# Altium PCB PCB.PcbDoc (part 2 of 3) (continued)
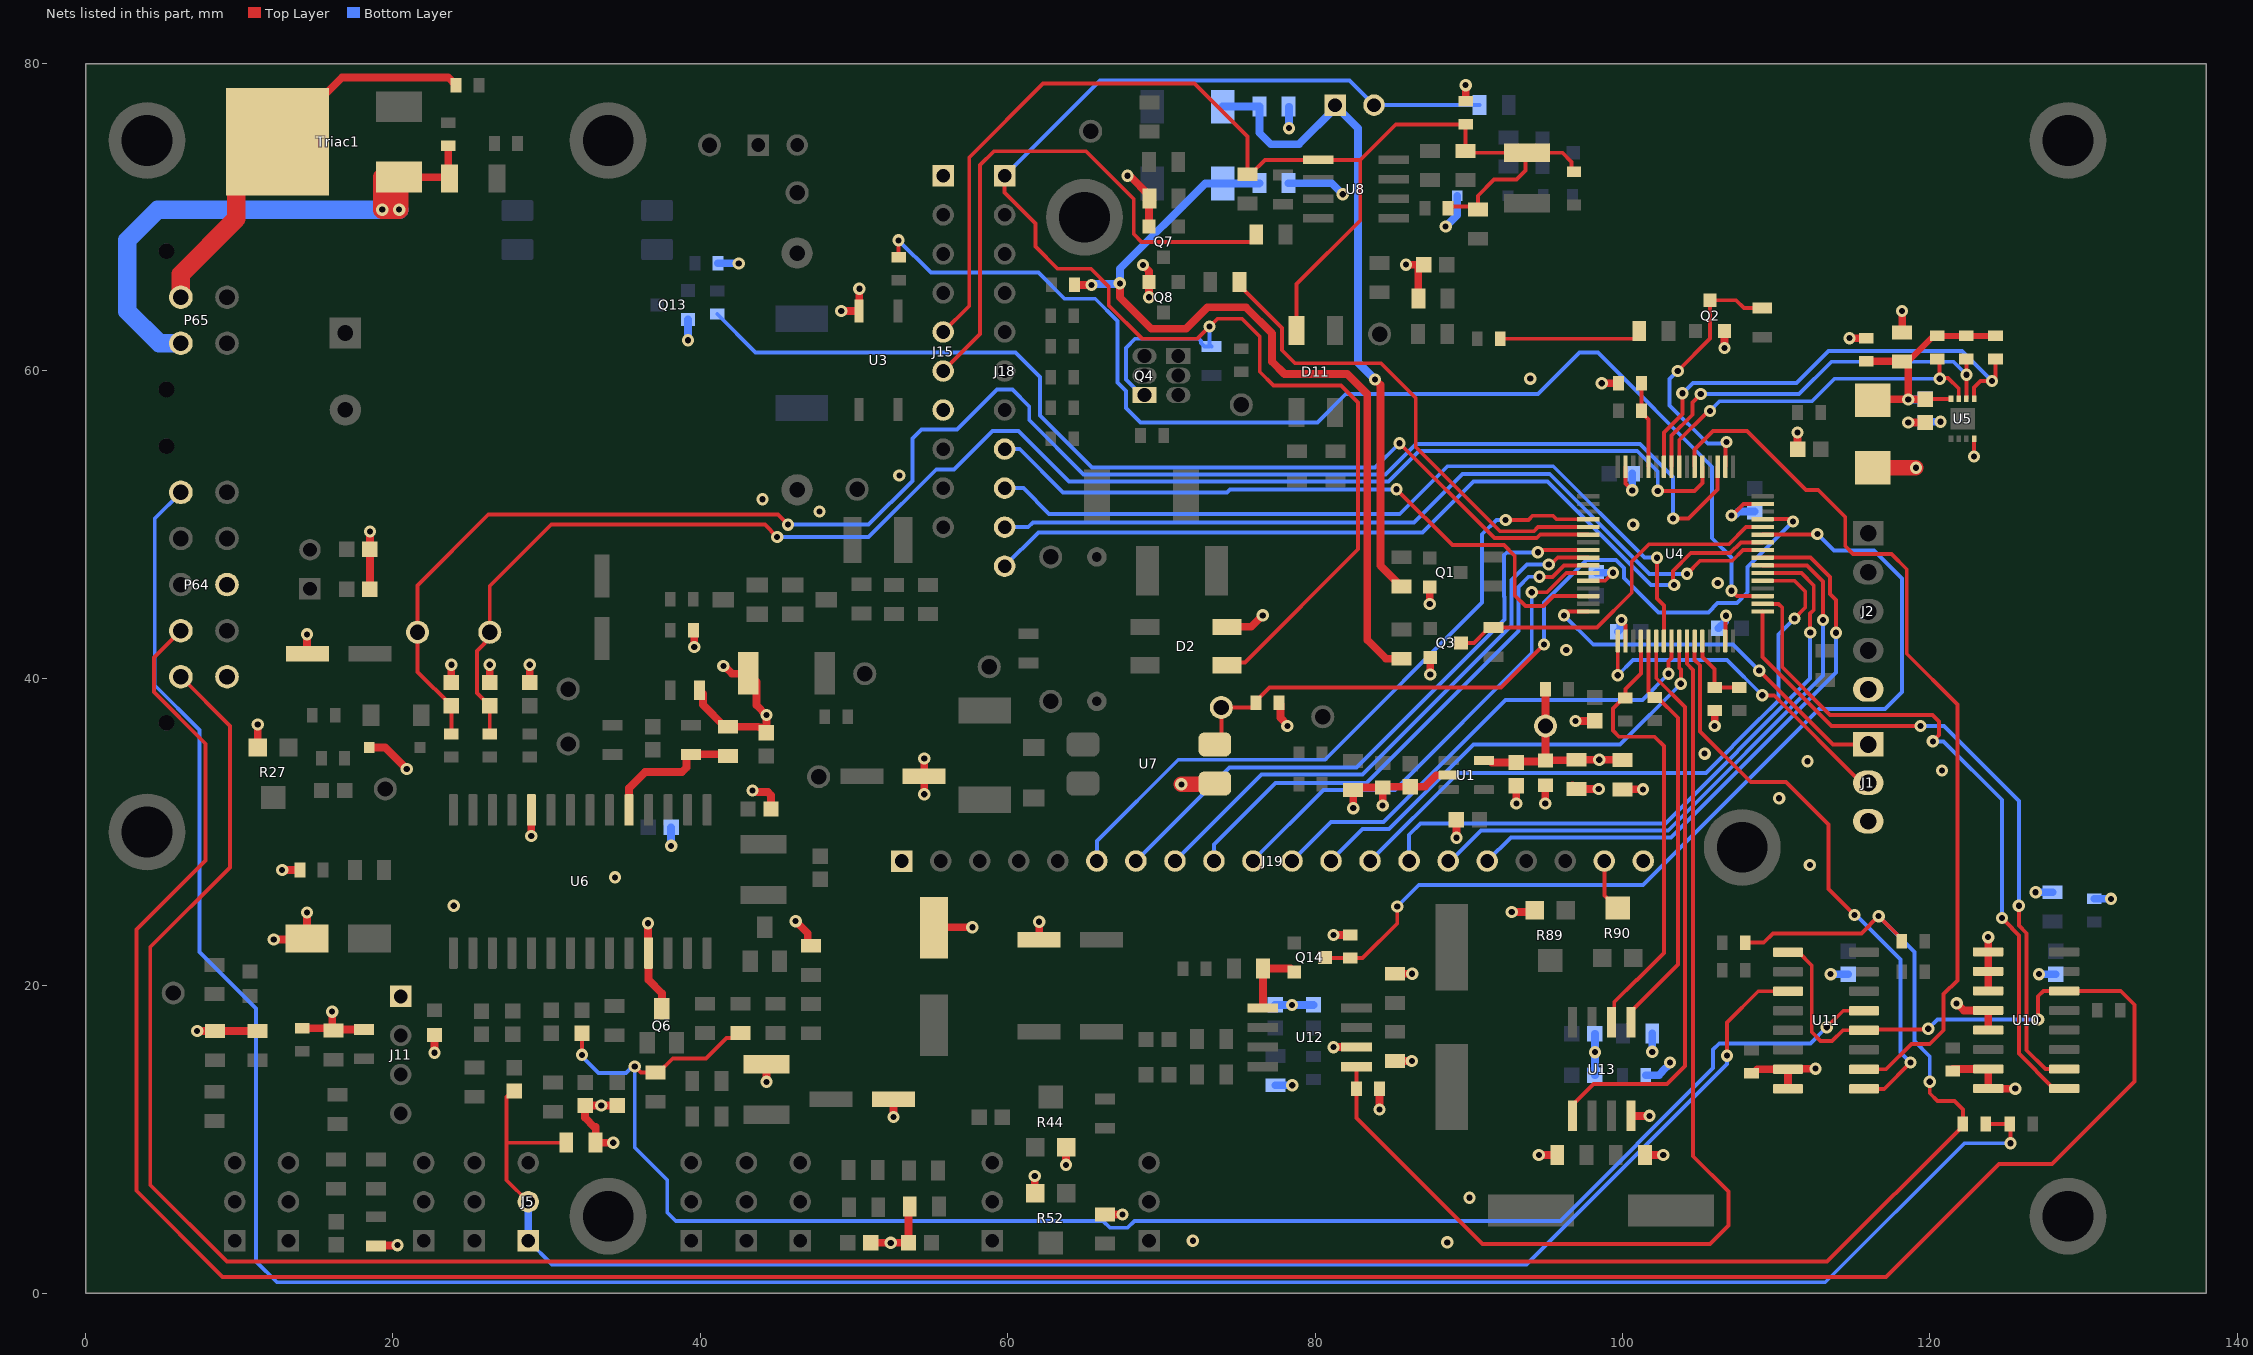
[diagram p4: the nets of this part, all layers, seen from the top]
## Part data (continued)
U2: library part CMP-076-000004-2, "AC-DC Module HLK-PM01 5V 3W Hi-Link", Manufacture=Hi-Link, Max Operating Temperature=60°C, Max Supply Voltage=240V, Min Operating Temperature=-25°C, Min Supply Voltage=100V, Nominal Supply Current=200mA, Output Current=600mA, Output Voltage=5V, Design Item ID=HLK-PM01, Efficiency=70%, Pins=4
U3: library part CMP-076-000006-2, "High Isolation Voltage Darlington Transistor SOP MULTI Photocoupler Series", Case/Package=SOP, Collector Emitter Saturation Voltage=1V, Collector Emitter Voltage (VCEO)=40V, Current Transfer Ratio=2000%, Forward Current=50mA, Forward Voltage=1.4V, Isolation Voltage=3.75kV, Manufacturer=Renesas, Max Collector Current=200mA, Max Operating Temperature=100°C, Max Power Dissipation=150mW, Min Operating Temperature=-55°C, Reverse Breakdown Voltage=6V, Category=Optocouplers, Component Type=Standard, ComponentLink1Description=https://datasheet.ciiva.com/15119/getdatasheetpartid-460023-15119224.pdf?src-supplier=Verical, ComponentLink1URL=https://datasheet.ciiva.com/15119/getdatasheetpartid-460023-15119224.pdf?src-supplier=Verical, Input Type=DC, Lead Free="Lead Free", Manufacturer Part Number=PS2702-1-F3-A, Max Input Current=50mA, Mounting Technology="Surface Mount", Number of Channels=1, Number of Elements=1, Output Voltage=40V, Packaging="Tape and Reel", Pins=4, Power Dissipation=150mW, Radiation Hardening=No, Rise Time=200us, RoHS Compliant=Yes
U4: library part CMP-031-00022-4, "Ultra-low-power 32-bit Value Line ARM Cortex-M3 MCU with 256 Kbytes Flash, 32 MHz CPU, LCD, USB", Case/Package=LQFP, Manufacturer=STMicroelectronics, Max Operating Temperature=85°C, Min Operating Temperature=-40°C, Category=Microcontrollers, Component Type=Standard, ComponentLink1Description=http://www.mouser.com/ds/2/389/stm32l100rc-956221.pdf?src-supplier=Mouser, ComponentLink1URL=http://www.mouser.com/ds/2/389/stm32l100rc-956221.pdf?src-supplier=Mouser, ComponentLink2Description=http://www.st.com/content/ccc/resource/technical/document/datasheet/aa/5b/32/7b/98/10/4f/86/DM00090183.pdf/files/DM00090183.pdf/jcr:content/translations/en.DM00090183.pdf?src-supplier=Digi-Key, ComponentLink2URL=http://www.st.com/content/ccc/resource/technical/document/datasheet/aa/5b/32/7b/98/10/4f/86/DM00090183.pdf/files/DM00090183.pdf/jcr:content/translations/en.DM00090183.pdf?src-supplier=Digi-Key, ComponentLink3Description=http://www.st.com/st-web-ui/static/active/en/resource/technical/document/datasheet/DM00108661.pdf?src-supplier=Avnet, ComponentLink3URL=http://www.st.com/st-web-ui/static/active/en/resource/technical/document/datasheet/DM00108661.pdf?src-supplier=Avnet, Core Architecture=ARM, Design Item ID=STM32L100RCT6TR, Interface=I2C,SPI,USB,UART,USART, Manufacturer Part Number=STM32L100RCT6TR, Memory Format=FLASH, Memory Size=256KB, Number of I/Os=51, Oscillator Type=Internal, Packaging="Tape and Reel", Peripherals="Brown-out Detect/Reset,POR,PWM,WDT,DMA,LCD", Pins=64, RoHS Compliant=Yes, Series="STM32 L1"
U5: "EEPROM Serial 16-Kb I2C - Automotive Grade", Manufacturer="ON Semiconductor", Manufacturer Part Number=NV24C16MUW3VLTBG, Category=EEPROM, Component Type=Standard, Design Item ID=NV24C16MUW3VLTBG, Pin Count=8, Pricing 1="1=0.39, 10=0.374, 50=0.374, 100=0.307, 1000=0.291, 10000=0.276 (USD)", RoHS=No, Source=V4-TEL.SCHLIB
U6: library part CMP-076-000002-2, "AS Series 3 to 5 V Telephone Line Interface and Speakerphone Circuit - SOIC-28", Case/Package=SOIC, Max Operating Temperature=70°C, Max Supply Voltage=5V, Min Operating Temperature=-25°C, Min Supply Voltage=3V, Operating Supply Current=3mA, Package Quantity=1500, Design Item ID=AS2523T, Interface=Serial, Lead Free="Lead Free", Mounting Technology="Surface Mount", Number of Circuits=1, Packaging="Tape and Reel", Pin Count=28, Pins=28, RoHS Compliant=Yes, Weight=0.078125oz
U7: library part CMP-084-000000-2, "OPTOISOLATOR 5KV TRANS 4SMD", Case/Package=SMD/SMT, Collector-emitter Voltage-Max=200mV, Forward Voltage=1.2V, Max Operating Temperature=100°C, Max Output Voltage=80V, Min Operating Temperature=-30°C, Output Current per Channel=50mA, Package="SMD-4 Sharp Microelectronics", Component Type=Standard, Input Type=DC, Lead Free="Contains Lead", MF="Sharp Microelectronics", Mounting Technology="Surface Mount", MP=PC817XI, Number of Channels=1, Number of Circuits=1, Pins=4, RoHS Compliant=No
U8: library part CMP-031-00017-1, "BA8206 Series 14 to 18 V 450 mW Tone Ringer IC for Telephone Set - SOIC-8", Case/Package=SOP, Manufacturer=Rohm, Max Operating Temperature=75°C, Max Power Dissipation=450mW, Min Operating Temperature=-25°C, Package Quantity=2500, Category="Integrated Circuits (ICs)", Component Type=Standard, ComponentLink1Description=https://datasheet.ciiva.com/6631/ba8206f-6631483.pdf?src-supplier=Digi-Key, ComponentLink1URL=https://datasheet.ciiva.com/6631/ba8206f-6631483.pdf?src-supplier=Digi-Key, ComponentLink2Description=https://datasheet.ciiva.com/6631/ba8206f-6631484.pdf?src-supplier=Digi-Key, ComponentLink2URL=https://datasheet.ciiva.com/6631/ba8206f-6631484.pdf?src-supplier=Digi-Key, ComponentLink3Description=https://datasheet.ciiva.com/16421/rohmba8206f-e2-16421738.pdf?src-supplier=Future+Electronics, ComponentLink3URL=https://datasheet.ciiva.com/16421/rohmba8206f-e2-16421738.pdf?src-supplier=Future+Electronics, ComponentLink4Description=https://datasheet.ciiva.com/6631/ba8206f-6631485.pdf?src-supplier=Digi-Key, ComponentLink4URL=https://datasheet.ciiva.com/6631/ba8206f-6631485.pdf?src-supplier=Digi-Key, Design Item ID=BA8206F-E2, Lead Free="Lead Free", Manufacturer Part Number=BA8206F-E2, Mount="Surface Mount", Number of Circuits=1, Packaging="Tape and Reel", Pin Count=8, Pins=8, Pricing 1="1=2.37, 10=2.14, 50=2.02, 100=1.72, 1000=1.3, 10000=1.06 (USD)", RoHS=Yes, RoHS Compliant=Yes, Series=-, Source=V4-TEL.SCHLIB, Stock 1=6538
U9: library part CMP-076-000009-2, "Optocoupler Triac AC-OUT 1-Channel 800VDRM 4-Pin Surface Mount T/R", Case/Package=SMD/SMT, Forward Voltage=1.2V, Hold Current=400uA, Manufacturer=Vishay, Max Operating Temperature=110°C, Min Operating Temperature=-55°C, RMS Current (Irms)=100mA, Component Type=Standard, Design Item ID=VOT8024AB-T, Manufacturer Part Number=VOT8024AB-T, Mounting Technology="Surface Mount", Number of Channels=1, Packaging="Cut Tape", Pins=4, RoHS=Yes, RoHS Compliant=Yes, Series=-
U10 U11: library part CMP-031-00021-1, "IC MULTIPLEXER DUAL 4X1 16SOIC", Case/Package=SOIC, Manufacturer="Texas Instruments", Max Operating Temperature=85°C, Max Supply Voltage=5.5V, Min Operating Temperature=-40°C, Min Supply Voltage=2V, On-State Resistance=100R, Operating Supply Current=20uA, Package Quantity=1, Bandwidth=50MHz, Category="Decoders and Multiplexers", Component Type=Standard, ComponentLink1Description=https://datasheet.ciiva.com/1669/sn74lv4052a-1669728.pdf?src-supplier=Digi-Key, ComponentLink1URL=https://datasheet.ciiva.com/1669/sn74lv4052a-1669728.pdf?src-supplier=Digi-Key, ComponentLink2Description=https://datasheet.ciiva.com/15127/getdatasheetpartid-296403-15127637.pdf?src-supplier=Verical, ComponentLink2URL=https://datasheet.ciiva.com/15127/getdatasheetpartid-296403-15127637.pdf?src-supplier=Verical, ComponentLink3Description=https://datasheet.ciiva.com/46435/1845014-46435855.pdf?src-supplier=Element14, ComponentLink3URL=https://datasheet.ciiva.com/46435/1845014-46435855.pdf?src-supplier=Element14, ComponentLink4Description=https://datasheet.ciiva.com/1669/sn74lv4052a-1669727.pdf?src-supplier=Digi-Key, ComponentLink4URL=https://datasheet.ciiva.com/1669/sn74lv4052a-1669727.pdf?src-supplier=Digi-Key, ComponentLink5Description=https://datasheet.ciiva.com/1669/sn74lv4052a-1669729.pdf?src-supplier=Digi-Key, ComponentLink5URL=https://datasheet.ciiva.com/1669/sn74lv4052a-1669729.pdf?src-supplier=Digi-Key, ComponentLink6Description=https://datasheet.ciiva.com/14306/sn74lv4052a-14306682.pdf?src-supplier=Avnet, ComponentLink6URL=https://datasheet.ciiva.com/14306/sn74lv4052a-14306682.pdf?src-supplier=Avnet, ComponentLink7Description=https://datasheet.ciiva.com/48711/001048022-da-01-en-ic-mp-sn74lv40-sn74lv4052adr-soic-16-tid-48711974.pdf?src-supplier=Conrad, ComponentLink7URL=https://datasheet.ciiva.com/48711/001048022-da-01-en-ic-mp-sn74lv40-sn74lv4052adr-soic-16-tid-48711974.pdf?src-supplier=Conrad, Design Item ID=SN74LV4052ADR, Lead Free="Lead Free", Logic Function=Multiplexer,Demultiplexer, Manufacturer Part Number=SN74LV4052ADR, Mount="Surface Mount", Number of Bits=4, Number of Channels=2, Number of Circuits=2, Number of Inputs=8, Number of Outputs=2, Number of Switches=2, Packaging="Tape and Reel", Pin Count=16, Pins=16, Polarity=Non-Inverting, Pricing 1="1=0.42, 10=0.355, 50=0.355, 100=0.26, 1000=0.17, 10000=0.136 (USD)", Propagation Delay=12ns, Radiation Hardening=No, Reach SVHC Compliant=No, RoHS=Yes, RoHS Compliant=Yes, Series=74LV, Source=V4-TEL.SCHLIB, Stock 1=5424, Supply Current=20uA, Supply Type=Single, Throw Configuration=SP4T, Weight=0.004998oz
U12: library part CMP-076-000005-3, "SOP-8 Telecommunication Interface ICs ROHS", Component Type=Standard, Mounting Technology=SMT, Pins=8, RoHS Compliant=No
U13: library part CMP-031-00018-2, "IC, Dtmf Generator, SMD, SOP8", Manufacturer=Holtek, Max Operating Temperature=75°C, Max Supply Voltage=5.5V, Min Operating Temperature=-20°C, Min Supply Voltage=2.5V, Nominal Supply Current=950uA, Category="Integrated Circuits (ICs)", Component Type=Standard, ComponentLink1Description=https://datasheet.ciiva.com/1167/1738900-1167188.pdf?src-supplier=Element14, ComponentLink1URL=https://datasheet.ciiva.com/1167/1738900-1167188.pdf?src-supplier=Element14, Manufacturer Part Number=HT9200A-8SOPLF, Pins=8, Reach SVHC Compliant=No, RoHS Compliant=Yes
X1 X2: "Crystal 3.579545MHz ±30ppm (Tol) ±50ppm (Stability) 18pF FUND 180Ohm 2-Pin HC-49/US SMD T/R", Case/Package=SMD/SMT, ESR (Equivalent Series Resistance)=180, Frequency=3.5795MHz, Frequency Stability=50ppm, Frequency Tolerance=30ppm, Load Capacitance=18pF, Manufacturer=Abracon, Manufacturer Part Number=ABLS-3.579545MHZ-B4-T, Max Operating Temperature=70°C, Min Operating Temperature=-20°C, Package Quantity=1000, Category=Crystals, Component Type=Standard, ComponentLink1Description=https://datasheet.ciiva.com/15116/getdatasheetpartid-719920-15116797.pdf?src-supplier=Verical, ComponentLink1URL=https://datasheet.ciiva.com/15116/getdatasheetpartid-719920-15116797.pdf?src-supplier=Verical, ComponentLink2Description=https://datasheet.ciiva.com/854/abls-854168.pdf?src-supplier=Digi-Key, ComponentLink2URL=https://datasheet.ciiva.com/854/abls-854168.pdf?src-supplier=Digi-Key, ComponentLink3Description=https://datasheet.ciiva.com/854/abls-854169.pdf?src-supplier=Digi-Key, ComponentLink3URL=https://datasheet.ciiva.com/854/abls-854169.pdf?src-supplier=Digi-Key, ComponentLink4Description=https://datasheet.ciiva.com/854/abls-854170.pdf?src-supplier=Digi-Key, ComponentLink4URL=https://datasheet.ciiva.com/854/abls-854170.pdf?src-supplier=Digi-Key, ComponentLink5Description=https://datasheet.ciiva.com/4944/abls-44621-4944684.pdf?src-supplier=Mouser, ComponentLink5URL=https://datasheet.ciiva.com/4944/abls-44621-4944684.pdf?src-supplier=Mouser, Depth=4.7mm, Design Item ID=ABLS-3.579545MHZ-B4-T, ESR=180, Height=4.2mm, Lead Free="Lead Free", Length=11.4mm, Mounting Technology="Surface Mount", Packaging="Tape and Reel", Pins=2, Pricing="1=0.17, 10=0.138, 50=0.138, 100=0.138, 1000=0.132, 10000=0.108 (USD)", Radiation Hardening=No, RoHS=Yes, Series=ABLS, Source=V4-TEL.SCHLIB, Stock=4835, Termination=SMD/SMT, Tolerance=30ppm, Width=4.7mm

## Free pads (board coordinates)
  round 5 hole 3.3 unplated: 0(4,30) 0(4,75) 0(34,5) 0(34,75) 0(65,70) 0(107.8,29) 0(129,5) 0(129,75)

## Via types
v1: diameter 0.8, hole 0.4, Top Layer to Bottom Layer, tented both sides, 268 vias

## Nets (pads, with @x,y where several pads share a name; then routed paths per layer and width w, separated by ;. In a path a pad name is that pad's centre, name@x,y a point inside that pad or via, vN(x,y) a via of type N, cw(c..) or ccw(c..) an arc to the next point about the centre after c; other vN are vias at no path point)
3V_EEPROM: C16.2 C17.1 C18.2 D1.1 FB2.1 R19.2 R20.2 R21.1 U5.8 | length 17.7
  Top Layer w0.254: C16.2@119.7,58.15 119.739,58.189 U5.8@121.385,58.189
  Top Layer w0.4: C18.2@118.173,60.636 118.6,60.636 120.25,62.286 R19.2@120.48,62.286 R20.2@122.38,62.286 R21.1@124.28,62.286
  Top Layer w0.5: FB2.1@115.88,60.636 C18.2@118.173,60.636 ; D1.1@116.3,58.1 116.35,58.15 v1(118.6,58.15) ; C18.2@118.6,60.509 v1(118.6,58.15) ; C16.2@119.7,58.15 v1(118.6,58.15)
  Bottom Layer w0.508: v1(118.6,58.15) C17.1@119.7,58.15
+3V3: C1.2 C2.1 C3.2 C14.1 FB1.2 FB2.2 FB3.2 FB5.2 R47.2 R93.2 R108.2 TP2.1 U1.5 | length 22.2
  Top Layer w0.5: R47.2@77.65,38.4 77.75,38.3 77.75,37.431 78.2,36.981 v1(78.2,36.9) ; U1.5@90.992,34.657 91.357,34.657 91.493,34.52 C2.1@93.1,34.52 93.162,34.583 94.937,34.583 C1.2@95,34.645 ; FB1.2@95,39.3 TP2.1@95,36.9 C1.2@95,34.645 ; C14.1@100.017,34.676 99.993,34.7 C3.2@97,34.7 96.973,34.673 95.027,34.673 C1.2@95,34.645
  Top Layer w0.508: v1(81.2,23.3) R108.2@82.3,23.3 ; v1(114.78,62.136) FB2.2@115.88,62.136
  Bottom Layer w0.5: R93.2@41.15,67 v1(42.5,67) ; FB5.2@101.512,14.178 102.378,14.178 102.6,14.4 102.6,14.419 103.1,14.919 v1(103.1,15) ; FB3.2@130.7,25.65 v1(131.793,25.65)
  other v1: 98.497,34.7
A_MUX_MIC: U4.54 U11.10 | length 58.2
  Top Layer w0.254: U4.54@104.7,53.77 104.7,54.9 105.9,56.1 108.095,56.1 111.941,52.254 112.746,52.254 114.5,50.5 114.5,48.6 115,48.1 117.5,48.1 118.5,47.1 118.5,41.6 121.8,38.3 121.8,20.35 120.9,19.45 120.9,17.1 120,16.2 118.8,16.2 117.16,14.56 U11.10@115.728,14.56
A_MUX_SP: U4.33 U10.10 | length 43
  Top Layer w0.254: U4.33@109.12,44.35 109.12,41.38 113.6,36.9 v1(119.4,36.9) v1@119.4,37 ; v1(125.8,25.2) 125.8,23.914 126.3,23.414 126.3,15.8 127.52,14.58 U10.10@128.75,14.58
  Bottom Layer w0.254: v1(119.4,36.9) 120.928,36.9 125.8,32.028 v1(125.8,25.2)
AGND: C48.2 R82.2 U6.19 | length 9.2
  Top Layer w0.5: U6.19@35.36,31.435 35.36,32.86 36.4,33.9 38.804,33.9 39.096,34.193 39.096,34.95 39.196,35.05 C48.2@41.8,35.05
Anode_LCD: J19.19 R90.2 | length 3.5
  Top Layer w0.254: J19.19@98.822,28.113 98.822,25.878 99.65,25.05 R90.2@99.7,25.05
B_MUX_MIC: U4.27 U11.9 | length 38.4
  Top Layer w0.254: U4.27@104.7,42.43 104.7,41.2 105.05,40.85 105.05,36.55 108.35,33.25 110.65,33.25 113.4,30.5 113.4,26.3 v1(115.1,24.6) ; U11.9@115.728,13.29 117.04,13.29 v1(118.75,15)
  Bottom Layer w0.254: v1(115.1,24.6) 115.193,24.6 118.1,21.693 118.1,15.65 v1(118.75,15)
B_MUX_SP: U4.34 U10.9 | length 45.3
  Top Layer w0.254: U4.34@109.12,44.85 110.15,44.85 110.4,44.6 110.4,40.742 113.515,37.627 120.173,37.627 120.6,37.2 120.6,36.3 v1(120.2,35.9) ; v1(124.7,24.4) 125.346,23.754 125.346,23.726 125.8,23.272 125.8,15.575 128.065,13.31 U10.9@128.75,13.31
  Bottom Layer w0.254: v1(120.2,35.9) 120.9,35.9 124.7,32.1 v1(124.7,24.4)
BOOT0: R11.2 R12.2 U4.60 | length 5.6
  Top Layer w0.254: R12.2@101.25,59.2 101.25,57.3 101.7,56.85 U4.60@101.7,53.77
BOOT1: R8.2 R10.2 U4.28 | length 5
  Top Layer w0.254: U4.28@105.2,42.43 105.213,42.417 105.213,41.387 106,40.6 R10.2@106,39.4 R8.2@107.6,39.4
BUZZER1: C53.2 J15.6 | length 36.8
  Top Layer w0.254: J15.6@55.8,59.997 58.2,62.397 58.2,73.4 59.1,74.3 65.1,74.3 68.2,71.2 68.2,68.9 68.7,68.4 75.853,68.4 76.176,68.723 C53.2@76.176,68.883
BUZZER2: C54.1 C55.1 C56.2 D11.3 D12.2 J15.5 R72.1 R73.1 R75.2 U8.5 | length 81.8
  Top Layer w0.254: J15.5@55.8,62.537 57.5,64.237 57.5,73.9 62.3,78.7 72.15,78.7 75.6,75.25 C55.1@75.6,72.8 75.8,72.8 76.74,73.74 U8.5@80.2,73.74 82.94,73.74 ; D11.3@78.8,62.625 78.8,65.65 82.94,69.79 82.94,73.74 ; R73.1@88.7,70.7 90.4,70.7 R72.1@90.6,70.5 90.6,71.4 91.65,72.45 93.1,72.45 93.7,73.05 C54.1@93.7,74.2 ; D12.2@96.7,72.959 96.7,73.6 96.1,74.2 C54.1@93.7,74.2 ; 82.94,73.74 85.25,76.05 R75.2@89.8,76.05 89.783,76.033 C56.2@89.783,74.324 89.983,74.324 90.107,74.2 C54.1@93.7,74.2
C1: J18.8 U4.14 | length 44.3
  Top Layer w0.254: J18.8@59.8,54.917 J18.8@59.948,54.917 ; v1(85.3,52.3) 88.935,48.665 92.297,48.665 92.992,47.97 92.992,45.4 93.692,44.7 94.858,44.7 95.508,45.35 U4.14@97.78,45.35
  Bottom Layer w0.254: J18.8@59.8,54.917 60.783,54.917 63.6,52.1 74.276,52.1 74.476,52.3 v1(85.3,52.3)
C2: J18.9 U4.23 | length 52.5
  Top Layer w0.254: v1(102.25,47.85) 102.25,45.2 102.7,44.75 U4.23@102.7,42.43
  Bottom Layer w0.254: J18.9@59.8,52.377 61.023,52.377 62.7,50.7 85.511,50.7 88.611,53.8 95.5,53.8 101.45,47.85 v1(102.25,47.85)
C3: J18.10 U4.41 | length 54.1
  Top Layer w0.254: v1(104.2,46.8) 105.05,47.65 107.15,47.65 107.85,48.35 U4.41@109.12,48.35
  Bottom Layer w0.254: J18.10@59.8,49.837 61.337,49.837 61.65,50.15 86.45,50.15 89.6,53.3 95.272,53.3 101.772,46.8 v1(104.2,46.8)
C4: J18.11 U4.42 | length 56.2
  Top Layer w0.254: v1(103.367,46.073) 103.281,46.159 103.281,46.981 104.45,48.15 107.008,48.15 107.708,48.85 U4.42@109.12,48.85
  Bottom Layer w0.254: J18.11@59.8,47.297 62.003,49.5 87,49.5 90.3,52.8 95.13,52.8 101.857,46.073 v1(103.367,46.073)
CD_EN: R106.2 U4.26 U12.5 | length 70.6
  Top Layer w0.254: U12.5@82.692,14.732 82.7,14.724 R106.2@82.7,13.3 82.7,11.4 90.9,3.2 105.7,3.2 106.9,4.4 106.9,6.6 104.596,8.904 104.596,40.554 104.2,40.95 U4.26@104.2,42.43
CD_OUT: Q14.3 R108.1 U4.43 | length 63.1
  Top Layer w0.254: Q14.3@80.644,21.837 80.681,21.8 83.1,21.8 85.35,24.05 v1(85.35,25.15) ; U4.43@109.12,49.35 109.133,49.363 112.663,49.363 v1(112.686,49.386)
  Bottom Layer w0.254: v1(85.35,25.15) 86.75,26.55 101.352,26.55 112.802,38 117.1,38 118.2,39.1 118.2,46.494 116.381,48.313 113.759,48.313 v1(112.686,49.386)
CLK/HFI: C46.2 R61.2 TP18.1 U4.51 | length 112.1
  Top Layer w0.254: R61.2@23.8,36.378 C46.2@23.8,38.225 21.6,40.425 TP18.1@21.6,43 21.6,46.05 26.2,50.65 45.05,50.65 v1(45.7,50) ; v1(103.3,50.4) 104.3,50.4 106.2,52.3 U4.51@106.2,53.77
  Bottom Layer w0.254: v1(45.7,50) 50.95,50 53.8,52.85 53.8,55.6 54.4,56.2 56.7,56.2 59.3,58.8 60.3,58.8 61.4,57.7 61.4,56.8 64.946,53.254 84.584,53.254 86.576,55.246 101.154,55.246 103.3,53.1 v1(103.3,50.4)
CS1: J19.15 U4.39 | length 39.9
  Top Layer w0.254: U4.39@109.12,47.35 112,47.35 113.05,46.3 v1(113.05,43.8)
  Bottom Layer w0.254: J19.15@88.662,28.113 88.813,28.113 90.808,30.108 102.984,30.108 113.05,40.174 v1(113.05,43.8)
CS2: J19.16 U4.40 | length 39.1
  Top Layer w0.254: U4.40@109.12,47.85 112.25,47.85 113.504,46.596 113.504,45.496 113.9,45.1 v1(113.9,42.97)
  Bottom Layer w0.254: J19.16@91.202,28.113 92.743,29.654 103.172,29.654 113.9,40.382 v1(113.9,42.97)
D0: J19.7 U4.8 | length 40.3
  Top Layer w0.254: v1(94.5,48.2) 94.648,48.2 94.798,48.35 U4.8@97.78,48.35
  Bottom Layer w0.254: J19.7@68.342,28.113 74.429,34.2 82.7,34.2 92.327,43.827 92.327,45.301 92.3,45.328 92.3,48.024 92.476,48.2 v1(94.5,48.2)
D1: J19.8 U4.9 | length 36.8
  Top Layer w0.254: v1(95.209,47.412) 95.357,47.412 95.795,47.85 U4.9@97.78,47.85
  Bottom Layer w0.254: J19.8@70.882,28.113 76.515,33.746 83.096,33.746 92.781,43.431 92.781,46.389 93.804,47.412 v1(95.209,47.412)
D2: J19.9 U4.10 | length 34.6
  Top Layer w0.254: v1(94.61,46.611) 94.621,46.6 95.453,46.6 96.203,47.35 U4.10@97.78,47.35
  Bottom Layer w0.254: J19.9@73.422,28.113 73.431,28.122 73.431,29.193 77.438,33.2 83.35,33.2 93.235,43.085 93.235,45.946 93.9,46.611 v1(94.61,46.611)
D3: J19.10 U4.11 | length 31.9
  Top Layer w0.254: v1(94.1,45.6) 95.095,45.6 95.368,45.873 96.345,46.85 U4.11@97.78,46.85
  Bottom Layer w0.254: J19.10@75.962,28.113 75.962,28.162 80.546,32.746 85.196,32.746 94.1,41.65 v1(94.1,45.6)
D4: J19.11 U4.24 | length 31.8
  Top Layer w0.254: v1(103,40.3) 103,41.114 103.2,41.314 U4.24@103.2,42.43
  Bottom Layer w0.254: J19.11@78.502,28.113 81.043,30.654 84.454,30.654 92.4,38.6 101.3,38.6 v1(103,40.3)
D5: J19.12 U4.25 | length 30.4
  Top Layer w0.254: U4.25@103.7,42.43 103.7,40.662 103.8,40.562 v1(103.8,39.65)
  Bottom Layer w0.254: J19.12@81.042,28.113 81.042,28.142 83.1,30.2 84.8,30.2 90.3,35.7 99.85,35.7 v1(103.8,39.65)
D6: J19.13 U4.37 | length 41.8
  Top Layer w0.254: U4.37@109.12,46.35 111.2,46.35 111.9,45.65 111.9,44.6 v1(111.2,43.9)
  Bottom Layer w0.254: J19.13@83.582,28.113 89.319,33.85 105.434,33.85 108.929,37.345 108.936,37.345 110.15,38.558 110.15,42.85 v1(111.2,43.9)
D7: J19.14 U4.38 | length 41.8
  Top Layer w0.254: U4.38@109.12,46.85 111.65,46.85 112.45,46.05 112.45,44.45 112.219,44.219 v1(112.219,42.985)
  Bottom Layer w0.254: J19.14@86.122,28.113 86.122,29.822 86.862,30.562 102.796,30.562 112.219,39.985 v1(112.219,42.985)
DEBUG_RX: J1.2 U4.17 | length 22.3
  Top Layer w0.254: v1(99.7,40.2) U4.17@99.7,42.43 ; v1(109.1,38.9) 109.123,38.877 109.881,38.877 115.558,33.2 J1.2@116,33.2
  Bottom Layer w0.254: v1(99.7,40.2) 100.7,41.2 106.8,41.2 v1(109.1,38.9)
DEBUG_TX: J1.1 U4.16 | length 25
  Top Layer w0.254: v1(96.2,44.1) 96.45,44.35 U4.16@97.78,44.35 ; v1(108.9,40.5) 113.7,35.7 J1.1@116,35.7
  Bottom Layer w0.254: v1(96.2,44.1) 98.103,42.197 107.203,42.197 v1(108.9,40.5)
DETI: R15.1 R68.1 | length 9.4
  Top Layer w0.254: R68.1@92.05,62.1 100.777,62.1 101.1,62.423 R15.1@101.1,62.6
DETI_3V3: Q2.3 R13.1 U4.50 | length 18
  Top Layer w0.254: v1(103.6,60) 105.7,62.1 Q2.3@105.7,64.6 107.4,64.6 107.9,64.1 R13.1@109.1,64.1 ; U4.50@106.7,53.77 106.713,53.783 106.713,55.313 v1(106.773,55.373)
  Bottom Layer w0.254: v1(103.6,60) 103.073,59.473 103.073,57.749 105.553,55.269 106.669,55.269 v1(106.773,55.373)
DI/xPD: C45.2 R60.2 TP17.1 U4.53 | length 99.3
  Top Layer w0.254: R60.2@26.3,36.378 C45.2@26.3,38.225 25.473,39.052 25.473,41.773 25.954,42.254 25.954,42.317 26.3,42.663 26.3,46 30.3,50 44.2,50 v1(45,49.2) ; v1(102.3,52.2) 104.7,52.2 105.2,52.7 U4.53@105.2,53.77
  Bottom Layer w0.254: v1(45,49.2) 50.95,49.2 55.35,53.6 56.5,53.6 59,56.1 60.7,56.1 64,52.8 84.772,52.8 86.764,54.792 100.966,54.792 102.3,53.458 v1(102.3,52.2)
DOUT: Q14.1 R109.1 U12.1 | length 4.7
  Top Layer w0.508: U12.1@76.596,18.542 76.62,18.566 R109.1@76.62,21.12 78.411,21.12 Q14.1@78.644,20.887
DPN: R46.1 U4.5 | length 32.4
  Top Layer w0.254: R46.1@75.076,65.783 75.076,65.574 77.85,62.8 77.85,61.35 78.7,60.5 84.3,60.5 86.554,58.246 86.554,55.046 92.027,49.573 94.238,49.573 94.515,49.85 U4.5@97.78,49.85
DRY_C1: P65.3 R92.2 Triac1.OUT | length 26.3
  Top Layer w0.5: Triac1.OUT@12.5,74.914 16.686,79.1 23.6,79.1 R92.2@24.1,78.6
  Top Layer w1.2: P65.3@6.2,64.8 6.2,66.3 9.8,69.9 9.8,72.214 Triac1.OUT@12.5,74.914
DRY_C2: C70.1 P65.4 R95.1 Triac1.COM | length 38.1
  Top Layer w0.5: Triac1.COM@20.4,72.614 C70.1@23.78,72.614 ; C70.1@23.6,72.8 R95.1@23.6,74.65
  Top Layer w1.2: Triac1.COM@19.3,72.614 v1(19.3,70.5) v1(20.4,70.5) 20.4,72.614 Triac1.COM@20.4,72.628
  Bottom Layer w1.2: P65.4@6.2,61.8 4.8,61.8 2.7,63.9 2.7,68.5 4.7,70.5 v1(19.3,70.5) v1(20.4,70.5)
DRY_IN: R94.1 U4.6 | length 65.6
  Top Layer w0.254: v1(85.5,55.3) 91.681,49.119 94.426,49.119 94.657,49.35 U4.6@97.78,49.35
  Bottom Layer w0.254: R94.1@41.1,63.7 43.6,61.2 60.5,61.2 62.1,59.6 62.1,57.1 65.492,53.708 83.908,53.708 v1(85.5,55.3)
DTMF_CE: U4.22 U13.1 | length 37.5
  Top Layer w0.254: U13.1@96.757,11.53 96.757,12.23 98.127,13.6 102.9,13.6 104.062,14.762 104.062,38.145 102.2,40.007 U4.22@102.2,42.43
DTMF_CLK: R18.2 U4.21 U13.5 | length 27
  Top Layer w0.254: U13.5@100.567,17.626 100.567,18.326 103.608,21.367 103.608,37.437 102.318,38.727 102.068,38.727 101.7,39.095 U4.21@101.7,42.43
DTMF_DATA: R16.2 U4.20 U13.6 | length 29.8
  Top Layer w0.254: U13.6@99.297,17.626 99.47,17.799 99.47,18.934 100.918,20.382 100.944,20.382 102.7,22.138 102.7,35.6 102.1,36.2 99.791,36.2 99.391,36.6 99.391,38.05 100.068,38.727 R16.2@100.193,38.727 100.205,38.739 100.205,39.309 101.2,40.304 U4.20@101.2,42.43
EEPROM_SCL: R20.1 U4.57 U5.6 | length 26.6
  Top Layer w0.254: U4.57@103.2,53.77 103.2,55.8 104.55,57.15 104.55,57.945 105.1,58.495 v1(105.1,58.5) ; R20.1@122.38,60.786 122.385,60.781 v1(122.385,59.753) U5.6@122.385,58.244
  Bottom Layer w0.254: v1(105.1,58.5) 111.5,58.5 113.6,60.6 121.538,60.6 v1(122.385,59.753)
EEPROM_SDA: R21.2 U4.58 U5.5 | length 30.9
  Top Layer w0.254: U4.58@102.7,53.77 102.7,56 103.9,57.2 v1(103.9,58.546) ; U5.5@122.885,58.244 122.885,58.933 123.297,59.344 v1(124.047,59.344) 124.28,59.578 R21.2@124.28,60.786
  Bottom Layer w0.254: v1(103.9,58.546) 104.581,59.227 111.327,59.227 113.4,61.3 122.091,61.3 v1(124.047,59.344)
EEPROM_WP: R19.1 U4.56 U5.7 | length 23.8
  Top Layer w0.254: U4.56@103.7,53.77 103.7,55.5 105.6,57.4 v1(105.7,57.4) ; R19.1@120.48,60.786 120.647,60.619 v1@120.647,59.544 ; v1(120.647,59.494) v1@120.647,59.544 ; U5.7@121.885,58.244 121.885,58.856 121.197,59.544 v1@120.647,59.544
  Bottom Layer w0.254: v1(105.7,57.4) 106.327,58.027 112.327,58.027 113.794,59.494 v1(120.647,59.494)
EN: J19.6 U4.4 | length 44.7
  Top Layer w0.254: v1(92.4,50.3) 93.878,50.3 94.159,50.581 95.489,50.581 95.72,50.35 U4.4@97.78,50.35
  Bottom Layer w0.254: J19.6@65.802,28.113 65.802,29.402 71.1,34.7 80.65,34.7 90.873,44.923 90.873,49.373 91.8,50.3 v1(92.4,50.3)
EN_POWER: R3.2 U4.35 | length 77.6
  Top Layer w0.254: R3.2@52.9,67.4 v1(52.9,68.5) ; v1(107.1,45.7) 107.45,45.35 U4.35@109.12,45.35
  Bottom Layer w0.254: v1(52.9,68.5) 55,66.4 62,66.4 63.7,64.7 65.7,64.7 67.154,63.246 67.154,59.246 67.7,58.7 67.7,57.6 68.646,56.654 80.154,56.654 82,58.5 94.5,58.5 97.2,61.2 98.4,61.2 105.835,53.765 105.835,49.115 107.1,47.85 v1(107.1,45.7)
FCI: R47.1 TP14.1 U4.45 U7.4 | length 52.7
  Top Layer w0.254: U7.4@73.48,35.7 73.9,36.12 TP14.1@73.9,38.1 75.927,38.1 76.15,38.323 R47.1@76.15,38.4 76.15,38.525 77.025,39.4 92.1,39.4 v1(94.9,42.2) ; U4.45@109.12,50.35 109.133,50.363 110.937,50.363 v1(111.1,50.2)
  Bottom Layer w0.254: v1(94.9,42.2) 94.9,44.943 97.658,47.701 99.587,47.701 100.113,47.175 100.113,46.533 102.353,44.293 105.593,44.293 106.2,44.9 107.45,44.9 108.15,45.6 108.15,47.25 v1(111.1,50.2)
GND: C1.1 C2.2 C3.1 C4.1 C5.2 C6.1 C7.1 C8.2 C9.2 C10.2 C11.2 C12.2 C13.2 C14.2 C15.2 C16.1 C17.2 C18.1 C19.2 C20.2 C21.2 C33.1 C35.1 C36.1 C39.1 C40.2 C43.2 C44.1 C45.1 C46.1 C48.1 C49.1 C50.2 C51.2 C52.1 C59.2 C60.1 C61.1 C62.1 C63.1 C64.1 C65.1 C68.1 C71.2 C72.1 C73.1 C74.2 C75.2 C76.1 C77.1 C78.1 C81.2 C82.2 C83.1 C84.1 C85.1 D1.2 D2.3 D4.A D9.2 D10.2 J1.3 J2.5 J11.1 J15.1 J15.7 J19.1 J19.20 P64.3 P64.5 Q1.1 Q2.1 Q3.1 Q6.3 Q7.1 Q8.1 Q13.1 R10.1 R12.1 R27.3 R35.1 R39.1 R44.3 R45.1 R48.1 R49.1 R50.1 R52.3 R53.1 R54.1 R65.1 R67.1 R75.1 R84.1 R85.1 R87.1 R88.1 R89.3 R97.2 R100.2 R106.1 U1.2 U3.2 U4.12 U4.18 U4.31 U4.47 U4.63 U5.4 U6.11 U6.24 U7.3 U10.1 U10.2 U10.3 U10.4 U10.5 U10.7 U10.8 U11.7 U11.8 U12.6 U13.4 | length 182.9
  Top Layer w0.254: U4.12@97.78,46.35 98.862,46.35 v1(99.386,46.874) ; v1(99.939,43.792) 99.939,43.731 100.2,43.47 U4.18@100.2,42.43 ; U4.63@100.2,53.77 100.2,52.674 v1(100.643,52.231) ; U4.31@106.7,42.43 106.713,42.443 106.713,43.824 v1@106.739,43.85 ; v1(107.1,50.6) 107.128,50.6 107.878,51.35 U4.47@109.12,51.35 ; v1(122.885,54.431) U5.4@122.885,55.591
  Top Layer w0.5: v1(7.257,17.047) R48.1@8.417,17.047 C35.1@11.176,17.047 ; R27.3@11.2,35.5 v1(11.2,37) ; v1(12.24,23) C51.2@13.4,23 ; v1(12.79,27.525) R65.1@13.95,27.525 ; R49.1@14.1,17.228 15.965,17.228 C36.1@16.117,17.076 16.191,17.15 R50.1@18.1,17.15 ; C51.2@14.4,23.6 v1(14.4,24.76) ; C40.2@14.4,41.7 v1(14.4,42.86) ; C36.1@16.041,17.152 v1(16.041,18.312) ; D10.2@18.449,35.5 19.5,35.5 v1(20.9,34.1) ; C64.1@18.5,45.8 C65.1@18.5,48.4 v1(18.5,49.56) ; R87.1@18.9,3.068 18.925,3.093 20.275,3.093 v1(20.3,3.118) ; v1(22.7,15.64) C49.1@22.7,16.8 ; C46.1@23.8,39.725 v1(23.8,40.885) ; C45.1@26.3,39.725 v1(26.3,40.885) ; C44.1@28.9,39.725 v1(28.9,40.885) ; v1(29,29.74) U6.24@29,30.9 ; v1(34.336,9.783) R35.1@33.176,9.783 33.2,9.807 33.2,10.8 33.1,10.8 32.5,11.4 C62.1@32.5,12.2 C63.1@34.6,12.2 ; U6.11@36.6,22.9 v1(36.6,24.06) ; U6.11@36.63,22.125 36.63,20.37 37.5,19.5 Q6.3@37.5,18.5 ; v1(39.6,42.04) R88.1@39.6,43.2 ; R85.1@39.95,39.225 40.173,39.002 40.173,38.277 41.6,36.85 C48.1@41.8,36.85 43.778,36.85 43.805,36.823 43.927,36.823 C60.1@44.3,36.45 v1(44.3,37.61) 43.658,38.252 43.658,39.782 D4.A@43.115,40.325 ; v1(41.5,40.8) 41.564,40.8 42.064,40.3 D4.A@42.9,40.3 ; v1(43.4,32.7) 43.5,32.6 44.4,32.6 44.6,32.4 C33.1@44.6,31.5 ; v1(44.3,13.74) C20.2@44.3,14.9 ; v1(46.2,24.2) 47,23.4 47,22.8 R39.1@47.2,22.6 ; v1(49.167,63.897) U3.2@50.327,63.897 50.35,63.92 v1(50.35,65.35) ; C59.2@51.098,3.267 v1(52.386,3.267) C68.1@53.546,3.267 53.546,5.539 R84.1@53.624,5.617 ; v1(52.569,11.459) C19.2@52.569,12.619 ; v1(54.569,32.459) C50.2@54.569,33.619 v1(54.569,34.779) ; C21.2@55.9,23.8 v1(57.7,23.8) ; v1(61.76,7.62) 61.76,6.46 R52.3@61.8,6.5 ; C43.2@62.045,23 v1(62.045,24.16) ; v1(63.8,8.34) R44.3@63.8,9.5 ; C39.1@66.317,5.116 v1(67.477,5.116) ; v1(67.8,72.7) 67.941,72.7 69.224,71.417 R45.1@69.224,71.217 69.2,71.193 Q7.1@69.2,69.4 ; v1@68.8,66.899 69.2,66.499 Q8.1@69.2,65.8 ; D2.3@74.262,43.35 75.85,43.35 v1(76.6,44.1) ; C6.1@82.311,32.724 C6.1@82.483,32.724 ; v1(82.483,31.555) C6.1@82.483,32.724 ; v1(84.2,11.94) R106.1@84.2,13.1 ; v1(84.4,31.731) C4.1@84.4,32.9 ; v1(85.914,66.917) C52.1@87.074,66.917 86.724,66.567 R67.1@86.724,64.717 ; U1.2@88.702,33.707 88.695,33.7 87.9,33.7 87.15,32.95 C5.2@86.2,32.95 84.45,32.95 C4.1@84.4,32.9 ; v1(89.2,29.631) C7.1@89.2,30.8 ; R75.1@89.8,77.55 v1(89.8,78.6) ; v1(92.8,24.8) 94.2,24.8 R89.3@94.3,24.9 ; v1(93.1,31.851) C2.2@93.1,33.02 ; v1(94.975,31.851) 94.975,33.02 C1.1@95,33.045 ; C3.1@96.755,33.045 C3.1@97,32.8 ; v1(96.947,37.226) C13.2@98.107,37.226 ; C3.1@97.3,32.8 v1(98.46,32.8) ; v1(98.657,59.2) R12.1@99.75,59.2 ; C14.2@100.117,32.776 v1(101.342,32.776) ; v1(106,36.9) R10.1@106,37.9 ; R100.2@108.4,14.3 108.525,14.3 108.785,14.56 U11.7@110.778,14.56 U11.8@110.778,13.29 ; U11.7@111.4,14.6 v1(112.56,14.6) ; C18.1@118.197,62.512 118.2,62.515 v1(118.2,63.9) ; R97.2@121.5,14.58 U10.7@123.8,14.58 U10.8@123.8,13.31 ; v1(121.75,18.85) 122.21,18.39 U10.4@123.8,18.39 U10.5@123.8,17.12 ; U10.3@123.8,19.66 U10.2@123.8,20.93 U10.1@123.8,22.2 v1(123.8,23.16) ; U10.8@124.4,13.3 v1(125.56,13.3) ; C6.1@82.483,32.724 82.659,32.9 C4.1@84.4,32.9
  Top Layer w0.508: v1(69.2,64.8) Q8.1@69.2,65.8 ; v1(81.2,16.002) U12.6@82.692,16.002 ; C78.1@85.2,15.1 v1(86.3,15.1) ; C77.1@85.217,20.776 v1(86.317,20.776) ; v1(87.465,44.839) Q1.1@87.465,45.939 ; v1(87.5,40.25) Q3.1@87.5,41.35 ; v1(94.562,8.978) C84.1@95.762,8.978 ; U13.4@100.567,11.53 v1(101.767,11.53) ; C85.1@101.462,8.978 v1(102.662,8.978) ; v1(106.65,61.5) Q2.1@106.65,62.6 ; C15.2@111.4,54.9 v1(111.4,56) ; v1(118.6,56.65) C16.1@119.7,56.65
  Top Layer w1: v1(71.3,33.1) U7.3@72.7,33.1 ; D1.2@117.2,53.7 v1(119.1,53.7)
  Bottom Layer w0.254: R53.1@78.276,77.217 R53.1@78.3,77.193
  Bottom Layer w0.5: v1(39.2,62) Q13.1@39.2,63.35 ; v1(88.5,69.4) 89.249,70.149 D9.2@89.249,71.4 ; C8.2@98.293,46.874 v1(99.386,46.874) ; C10.2@99.693,43.024 99.882,43.213 99.882,43.734 v1(99.939,43.792) ; v1(100.643,52.231) C9.2@100.643,53.324 ; C11.2@106.25,43.25 106.689,43.689 106.689,44.019 v1(106.746,44.076) ; v1(107.1,50.6) 107.157,50.657 107.359,50.657 107.552,50.85 C12.2@108.6,50.85 ; v1(113.55,20.75) C71.2@114.7,20.75 ; v1(126.89,26.076) C73.1@127.983,26.076 ; v1(127.107,20.75) C72.1@128.2,20.75
  Bottom Layer w0.508: v1(38.1,29.1) C61.1@38.1,30.3 ; C75.2@77.4,18.75 v1(78.5,18.75) C74.2@79.9,18.75 ; C76.1@77.417,13.524 v1(78.517,13.524) ; R54.1@78.276,72.217 81.083,72.217 v1(81.8,71.5) ; v1(78.3,75.8) R53.1@78.3,77.193 ; C81.2@98.212,14.178 v1(98.212,15.678) C82.2@98.212,16.878 ; v1(101.938,15.695) C83.1@101.938,16.895 ; C17.2@119.7,56.65 119.75,56.7 v1(120.7,56.7)
  other v1: 88.6,3.3 72.05,3.4 90.05,6.2 33.55,12.2 23.95,25.2 34.45,27.05 112.2,27.85 110.2,32.2 120.8,34 112.05,34.6 105.35,35.1 96.35,41.85 106.2,46.2 100.7,50 47.75,50.85 44.05,51.65 52.95,53.2 94,59.5 68.8,66.9
HF: D5.2 R17.2 R54.2 R110.1 | length 55.9
  Top Layer w0.508: R110.1@64.35,65.6 v1(65.45,65.6) ; v1(67.3,65.7) 67.3,64.8 69.35,62.75 71.6,62.75 73,64.15 75.5,64.15 77.208,62.442 77.208,60.6 78.008,59.8 82.1,59.8 83.4,58.5 83.4,42.5 84.624,41.276 R17.2@85.617,41.276
  Bottom Layer w0.508: v1(65.45,65.6) 65.5,65.65 67.25,65.65 v1(67.3,65.7) 67.3,66.65 72.85,72.2 D5.2@73.986,72.2 76.359,72.2 R54.2@76.376,72.217
HF_1: P64.9 U10.14 U11.1 U11.12 | length 213.1
  Top Layer w0.254: P64.9@6.2,43.1 4.446,41.346 4.446,39.098 7.8,35.744 7.8,28.15 3.3,23.65 3.3,6.655 8.905,1.05 117.15,1.05 124.5,8.4 127.95,8.4 133.327,13.777 133.327,18.76 132.427,19.66 U10.14@128.75,19.66 127.395,19.66 127.05,19.315 v1(127.05,17.8) ; U11.1@110.778,22.18 111.463,22.18 112.323,21.32 112.323,16.977 112.9,16.4 113.65,16.4 114.35,17.1 U11.12@115.728,17.1 115.778,17.15 119.85,17.15 v1(119.9,17.2)
  Bottom Layer w0.254: v1(119.9,17.2) 120.5,17.8 v1(127.05,17.8)
HF_2: P64.10 R96.1 R99.1 R101.1 | length 188.4
  Top Layer w0.254: P64.10@6.2,40.1 9.4,36.9 9.4,27.7 4.208,22.508 4.208,7.032 9.19,2.05 113.325,2.05 122.15,10.875 R96.1@122.15,11 122.15,11.95 121.6,12.5 120.5,12.5 120,13 v1(120,13.75) ; R101.1@108,22.8 109.2,22.8 109.8,23.4 115.547,23.4 v1(116.674,24.527) 118.176,23.025 R99.1@118.176,22.9
  Bottom Layer w0.254: v1(116.674,24.527) 119,22.201 119,16.4 120,15.4 v1(120,13.75)
HF_3V3: Q3.3 R14.1 U4.44 | length 24
  Top Layer w0.254: Q3.3@89.5,42.3 90.331,42.3 91.077,43.046 91.077,43.077 91.3,43.3 R14.1@91.6,43.3 98.34,43.3 100.609,45.569 100.609,47.609 101.725,48.725 106.925,48.725 108.05,49.85 U4.44@109.12,49.85
HF_MIC1: C24.2 R29.1 R33.2 U11.13 | length 108.9
  Top Layer w0.254: v1(32.3,15.5) C24.2@32.3,16.9 ; v1(35.732,14.736) 35.764,14.736 36.151,14.349 37.283,14.349 38.207,15.273 40.373,15.273 41.701,16.601 42.277,16.601 R29.1@42.6,16.924 ; v1(113.3,17.3) 114.37,18.37 U11.13@115.728,18.37
  Bottom Layer w0.254: v1(32.3,15.5) 32.3,15.4 33.381,14.319 35.167,14.319 35.584,14.736 v1(35.732,14.736) 35.732,9.478 37.85,7.36 37.85,5.25 38.4,4.7 66.2,4.7 66.65,4.25 67.8,4.25 68.25,4.7 95.965,4.7 105.9,14.635 105.9,15.85 106.3,16.25 112.25,16.25 v1(113.3,17.3)
HF_MIC2: C28.1 J5.1 J5.2 R35.2 U11.3 | length 106.2
  Top Layer w0.254: C28.1@27.9,13.15 27.9,13.251 27.4,12.751 27.4,10.751 27.4,9.8 ; J5.2@28.8,5.94 27.4,7.34 27.4,9.8 ; R35.2@31.276,9.783 27.417,9.783 27.4,9.8 ; v1(106.8,15.45) 106.8,17.6 108.84,19.64 U11.3@110.778,19.64
  Bottom Layer w0.254: J5.1@28.8,3.4 30.35,1.85 93.757,1.85 106.8,14.893 v1(106.8,15.45)
  Bottom Layer w0.5: J5.1@28.8,3.4 J5.2@28.8,5.94
HF_SP: P64.6 R96.2 R98.2 | length 174.9
  Top Layer w0.254: R96.2@123.55,11 R96.2@123.65,11 R98.2@125.2,11 125.25,10.95 v1(125.25,9.75)
  Bottom Layer w0.254: P64.6@6.2,52.1 4.5,50.4 4.5,39.55 7.4,36.65 7.4,22.2 11.096,18.504 11.096,2.062 12.458,0.7 113.2,0.7 122.25,9.75 v1(125.25,9.75)
HS: D6.2 J16.1 R9.2 R53.2 | length 43.5
  Top Layer w0.508: v1(83.9,59.45) 84.25,59.1 84.25,47.343 R9.2@85.617,45.976
  Bottom Layer w0.508: D6.2@73.986,77.2 R53.2@76.261,77.2 ; R53.2@76.376,77.217 76.376,75.5 77.126,74.75 78.95,74.75 81.3,77.1 J16.1@81.3,77.3 82.8,75.8 82.8,60.55 v1(83.9,59.45)
HS_2: D2.1 J16.2 J18.1 Q4.1 R34.1 R62.1 | length 100.1
  Top Layer w0.254: J18.1@59.8,72.697 59.8,71.608 61.8,69.608 61.8,68.1 63.25,66.65 65.428,66.65 66.573,65.505 66.573,64.277 68.75,62.1 72.35,62.1 v1(73.138,62.888) 73.65,63.4 75.25,63.4 76.4,62.25 76.4,59.95 77.3,59.05 81.7,59.05 82.8,57.95 82.8,48.4 75.432,41.032 74.445,41.032 D2.1@74.262,40.85
  Bottom Layer w0.254: J18.1@59.8,72.697 66.003,78.9 82.24,78.9 J16.2@83.84,77.3 R62.1@90.7,77.3 ; Q4.1@68.9,58.43 68.703,58.43 67.7,59.433 67.7,61.5 68.3,62.1 72.428,62.1 72.577,61.951 72.577,61.823 72.8,61.6 R34.1@73.1,61.6 ; v1(73.138,62.888) 73.138,61.712 R34.1@73.25,61.6